# Altium PCB BC95_BLUE.PcbDoc (continued)
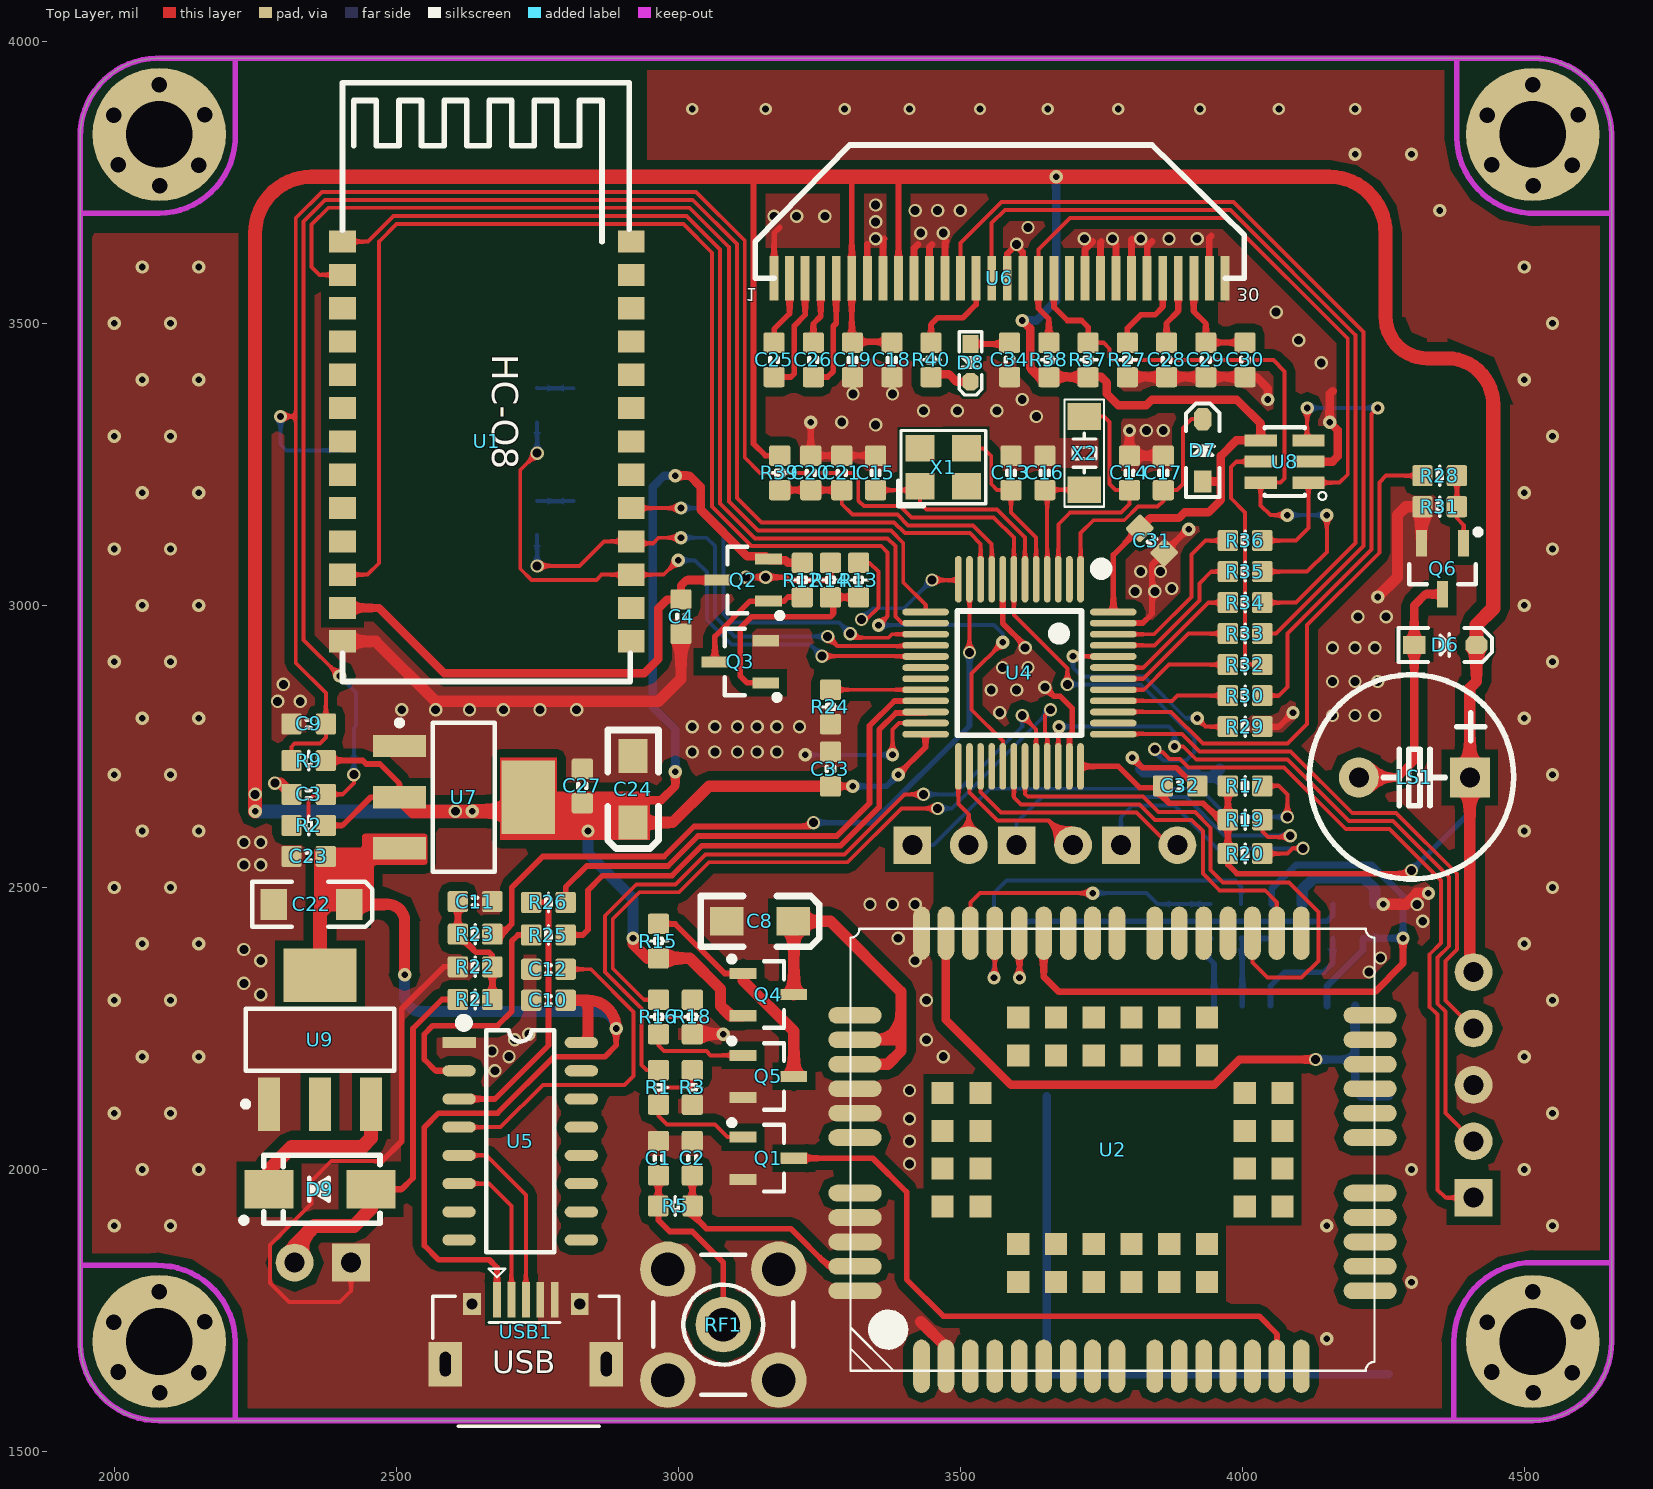
[diagram p0: Top Layer view]
## Nets (pads, with @x,y where several pads share a name; then routed paths per layer and width w, separated by ;. In a path a pad name is that pad's centre, name@x,y a point inside that pad or via, vN(x,y) a via of type N, cw(c..) or ccw(c..) an arc to the next point about the centre after c; other vN are vias at no path point)
BEEP: R28.1 U4.39 | length 943.8
  Top Layer w7: U4.39 3873.9,2811.1 3930,2755 4080,2755 4115,2790 4115,2965.4 4243,3093.4 4243,3218 4255,3230 R28.1
BLE_CLEAR: U1.18 U4.15 | length 707.5
  Top Layer w7: U1.18 v3(3005,3172.56) ; v1(3305,2950) 3312.31,2942.69 3372.69,2942.69 3378.9,2948.9 U4.15
  Bottom Layer w7: v3(3005,3172.56) 3042.44,3172.56 3080,3135 3080,2984.8 3094.8,2970 3285,2970 v1(3305,2950)
BLE_CON_LED: R4.1 U1.17 U4.16 | length 920.2
  Top Layer w7: v1(2750,3070) 2825,3070 2868.5,3113.5 U1.17 2920.31,3110 2955,3110 2965,3120 v3(3005,3120) ; v1(3265,2945) 3282.31,2927.69 3437.06,2927.69 U4.16
  Bottom Layer w7: v1(2750,3070) R4.1 ; v3(3005,3120) 3050,3120 3065,3105 3065,2980 3100,2945 v1(3265,2945)
BLE_Pilot_LED: R6.1 U1.16 U4.17 | length 1133.6
  Top Layer w7: v1(2750,3270) 2720,3240 2720,3065 2740,3045 2855,3045 2864.45,3054.45 U1.16 2974.45,3054.45 v3(3000,3080) ; v1(3255,2910) 3438.11,2910 U4.17
  Bottom Layer w7: v1(2750,3270) R6.1 ; v3(3000,3080) 3030,3080 3051,3059 3051,2974.2 3094.2,2931 3234,2931 v1(3255,2910)
BLE_Pilot_LED_CON: U1.14
Blue_Power_Control: R13.1 U4.12 | length 345.1
  Top Layer w7: R13.1 3339.49,3075.51 3355,3060 3355,2996.55 3333.45,2975 v1(3325,2975) ; v1(3450,3045) 3495.32,3045 U4.12
  Bottom Layer w7: v1(3325,2975) 3345,2995 3400,2995 v1(3450,3045)
Blue_RST: U1.11 U4.29 | length 2705.6
  Top Layer w7: U1.11 2449.45,3054.45 2470,3075 2470,3645 2501,3676 3009.2,3676 3060,3625.2 3060,3175 3130,3105 3360,3105 3371,3094 3371,2981 v3(3355,2965) ; U4.29 3575.47,2759.53 3520,2815 3520,2879.06 v3(3575.47,2934.53)
  Bottom Layer w7: v3(3355,2965) 3560,2965 3575.47,2949.53 v3(3575.47,2934.53)
Blue_RXD_PA2: U1.2 U4.13 | length 1846.3
  Top Layer w7: U1.2 2364.06,3585.94 2350,3600 2350,3675 2380,3705 3020,3705 3090,3635 3090,3184.6 3141.6,3133 3377,3133 3399,3111 3399,3041 3438.58,3001.42 U4.13
Blue_TXD_PA3: U1.1 U4.14 | length 1688
  Top Layer w7: U1.1 2450,3645 2495,3690 3015,3690 3074,3631 3074,3180.8 3135.8,3119 3371,3119 3385,3105 3385,2980 3396.42,2968.58 U4.14
CLK: R36.2 R38.2 U6.18 U8.1 | length 1321.3
  Top Layer w7: U6.18 3638.5,3631.18 3694.33,3687 3973.2,3687 4187,3473.2 4187,3232 4172.6,3217.6 U8.1 4117.32,3137.32 4095,3115 R36.2
  Top Layer w10: U6.18 3638.5,3526.5 3657.08,3507.92 R38.2
CS1: R33.2 U6.13 | length 1525.6
  Top Layer w7: U6.13 3500.71,3642.37 3573.34,3715 3984.8,3715 4215,3484.8 4215,3105 4060,2950 R33.2
CS2: R30.2 U8.3 | length 795.5
  Top Layer w7: R30.2 4065,2840 4080,2855 4080,2950.2 4229,3099.2 4229,3339 v3(4240,3350) ; v3(4115,3350) 4115,3294.72 U8.3
  Bottom Layer w7: v3(4115,3350) v3(4240,3350)
D/C: R34.2 U6.15 | length 1422
  Top Layer w7: U6.15 3555.83,3677.69 3579.14,3701 3979,3701 4201,3479 4201,3110.8 4095.2,3005 R34.2
FSO: R32.2 U8.5 | length 441.8
  Top Layer w7: U8.5 3990,3255 3980,3245 3980,3190 4005,3165 4005,2905 4015,2895 R32.2
GND: C1.2 C2.2 C3.2 C4.1 C5.1 C6.1 C7.1 C8.2 C9.1 C10.2 C11.1 C12.2 C13.1 C14.2 C15.1 C16.2 C17.2 C18.1 C19.1 C20.1 C21.1 C22.2 C23.1 C24.2 C27.1 C28.1 C29.1 C30.1 C31.1 C32.1 C33.1 C34.1 D1.2 D2.2 JP2.3 JP4.1 Q1.2 Q3.2 Q5.2 Q6.2 R3.2 R14.2 R18.2 R22.2 R24.2 R27.2 R29.1 R31.2 RF1.2 RF1.3 S1.2 S2.2 U1.13 U2.2 U2.43 U2.47 U2.48 U2.51 U2.52 U2.54 U4.8 U4.23 U4.35 U4.47 U5.1 U6.1 U6.7 U6.8 U6.10 U6.11 U6.12 U6.16 U6.17 U6.21 U6.22 U6.23 U6.24 U6.25 U6.29 U6.30 U7.1 U8.2 U9.1 USB1.4 USB1.5 | length 5557.2
  Top Layer w7: JP4.1 2420,1785 2400,1765 2310,1765 2276.04,1798.96 2276.04,1866.04 2350,1940 2350,1980 2385,2015 2475,2015 ; v3(3380,2735) 3380,2780 3391.42,2791.42 U4.23
  Top Layer w10: 2475,2015 2510,2050 2510,2285 2584.29,2359.29 R22.2 ; v1(3120,3050) 3190,3050 3195.4,3044.6 3264.6,3044.6 3270,3050 R14.2 ; U6.1 3170,3660 3180,3670 ; v3(3235,3325) C20.1 C21.1 C15.1 ; U4.8 3575.47,2968.2 3615,2928.67 v1(3615,2925) ; v1(3650,2855) 3666.19,2838.81 3677.52,2838.81 3698.81,2817.52 3698.81,2775.14 3693.58,2769.91 U4.35 ; U4.47 3823.58,2968.58 3840,2985 3840,3071.85 C31.1 3903.15,3135 v3(3905,3135) ; v3(3805,2730) 3822.81,2712.19 3883.32,2712.19 C32.1@3920.51,2675 ; R29.1 4065,2785 v3(4090,2810)
  Top Layer w12: 3335,3640 3335.35,3639.65 U6.7 ; U6.8 3362.91,3647.91 3365,3650 ; U6.10 3418.03,3633.03 3425,3640 ; U6.11 3445.59,3635.59 3450,3640 ; U6.12 3473.15,3643.15 3475,3645 ; U6.16 3583.39,3623.39 v1(3600,3640) 3600,3636.86 3610.94,3625.91 U6.17 ; U6.21 3721.18,3631.18 3735,3645 ; U6.22 3748.74,3643.74 3750,3645 ; v1(3770,3650) 3770,3646.86 3776.3,3640.56 U6.23 ; U6.24 3803.86,3648.86 3805,3650 ; U6.25 3831.42,3636.42 3840,3645 ; U6.29 3941.65,3651.65 3945,3655
  Top Layer w15: R27.2 C28.1 C29.1 C30.1 4025.13,3404.87 4045,3385 v3(4045,3365) ; v3(3800,3310) C14.2 C17.2 ; U8.2 4160,3255 4169,3264 4169,3311 v3(4155,3325) 4155,3375 4160,3380
  Top Layer w20: v1(2285,2685) 2294.49,2685 C3.2 ; U1.13 2463.66,2936.34 2570,2830 2965,2830 3005,2870 C4.1 ; R18.2 v3(3080,2240) ; 3430,1730 3474.72,1685.28 U2.2 ; v3(4240,3015) 4275,3050 4275,3160 4290,3175 R31.2 4317.6,3173.11 Q6.2 ; v3(4250,2470) 4290,2470 4309.5,2489.5 4309.5,2490 v3(4330,2490)
  Bottom Layer w7: v3(3225,2735) v3(3380,2735)
  Bottom Layer w20: 3820,2710 3825.5,2704.5 3915.21,2704.5 3924.08,2695.63 3945.63,2695.63 ; 3960,2690 3954.37,2695.63 3945.63,2695.63 ; 3960,2710 3945.63,2695.63 ; C6.1 4106.11,2496.11 4127,2517 4215,2517 4235,2497 4235,2470.51
  other v1: 3410,2010 3410,2050 3410,2090 3410,2140 2675,2175 2700,2200 3470,2200 2670,2210 2710,2230 3440,2230 2735,2240 3440,2300 2260,2310 2230,2330 4225,2350 2260,2370 3420,2370 4245,2375 2230,2390 3390,2410 4320,2440 3340,2470 3380,2470 3420,2470 4310,2470 2230,2540 2260,2540 2230,2580 2260,2580 3025,2740 3065,2740 3105,2740 3140,2740 3175,2740 3025,2785 3065,2785 3105,2785 3140,2785 3175,2785 3215,2785 4160,2805 4200,2805 4235,2805 3570,2810 2510,2815 2570,2815 2630,2815 2690,2815 2755,2815 2820,2815 2290,2830 2330,2830 3555,2850 3600,2850 2300,2860 4160,2865 4200,2865 4240,2865 3575,2890 3620,2890 4160,2925 4200,2925 4235,2925 4205,2980 4255,2980 3810,3025 3845,3025 3875,3030 3155,3050 3820,3060 3855,3060 3830,3310 3860,3310 3350,3320 3290,3325 3635,3335 3435,3345 3495,3345 3565,3345 3610,3365 3310,3375 3380,3375 4140,3430 4100,3470 4060,3520 3350,3650 3720,3650 3820,3650 3870,3650 3920,3650 3430,3660 3470,3660 3620,3670 3350,3680 3170,3690 3210,3690 3260,3690 3420,3700 3460,3700 3500,3700 3350,3710
  other v2: 4150,1700 4300,1800 2000,1900 2100,1900 4150,1900 4550,1900 2050,2000 2150,2000 4300,2000 4500,2000 2000,2100 2100,2100 4550,2100 2050,2200 2150,2200 4500,2200 2000,2300 2100,2300 4550,2300 2050,2400 2150,2400 4500,2400 2000,2500 2100,2500 4550,2500 2050,2600 2150,2600 4500,2600 2000,2700 2100,2700 4550,2700 2050,2800 2150,2800 4500,2800 2000,2900 2100,2900 4550,2900 2050,3000 2150,3000 4500,3000 2000,3100 2100,3100 4550,3100 2050,3200 2150,3200 4500,3200 2000,3300 2100,3300 4550,3300 2050,3400 2150,3400 4500,3400 2000,3500 2100,3500 4550,3500 2050,3600 2150,3600 4500,3600 4350,3700 4200,3800 4300,3800
  other v5: 3025,3880 3155,3880 3295,3880 3410,3880 3535,3880 3655,3880 3780,3880 3925,3880 4065,3880 4200,3880
LED1: D3.2 U4.25 | length 147.1
  Top Layer w7: U4.25 3496.73,2648.27 3515,2630 D3.2
LED2: D4.2 U4.26 | length 268.3
  Top Layer w7: U4.26 3516.42,2668.58 3566.04,2618.96 3656.04,2618.96 D4.2
LED3: D5.2 U4.27 | length 433.5
  Top Layer w7: U4.27 3536.1,2668.9 3572.04,2632.96 3812.39,2632.96 3870.35,2575 D5.2
MCU_3.3V: C18.2 C19.2 C24.1 C27.2 C31.2 C32.2 C33.2 D6.2 D7.1 JP2.5 LS1.1 Q2.2 Q4.2 R2.2 R9.2 R12.2 R15.2 R17.1 R19.1 R20.1 R37.1 R38.1 R39.1 U4.24 U4.36 U4.48 U6.6 U6.9 U7.2 U7.4 U8.4 | length 11399.5
  Top Layer w10: R2.2 2405,2610 2455,2660 U7.2 2505.83,2684.17 2471.13,2718.87 2446.96,2718.87 2440.83,2725 R9.2 ; 3130,3760 3133.5,3756.5 3133.5,3286.5 3154.49,3265.51 R39.1 ; C33.2 v3(3309.49,2679.49) ; 3310,3760 3307.8,3757.8 U6.6 3307.8,3467.26 3377.38,3467.26 C18.2 ; v3(3390,2700) 3438.58,2748.58 U4.24 ; U6.9 3390.47,3755.47 3395,3760 ; U4.36 3780.42,2714.58 3818.54,2676.46 3858.02,2676.46 3858.02,2661.98 3870.7,2649.3 3930.7,2649.3 3960,2620 R19.1 ; U4.48 3771.42,3089.57 C31.2 ; R17.1 R19.1 ; v1(4300,2530) 4294.5,2524.5 3990.5,2524.5 3974.49,2540.51 R20.1 R19.1
  Top Layer w15: C24.1 2920,2655 2970,2655 2995,2680 v3(2995,2705) ; v3(2995,3230) 3020,3230 3040,3210 3040,3169.54 3122.54,3087 3155.4,3087 Q2.2 3162.4,3080 3190,3080 3194.49,3075.51 R12.2 ; v3(3610,3505) 3623.88,3491.12 3623.88,3421.12 3640.13,3404.87 R38.1 3657.22,3405 3750,3405 3760,3395 3760,3375 3780,3355 3830,3355 3840,3365 3990,3365 4032.68,3322.32 U8.4 3989.4,3292.4 3962,3265 3962,3220 ; C31.2 3836.85,3155 3887.79,3155 3897.79,3165 3940,3165 3962,3187 3962,3220 ; D7.1 3961.88,3219.88 3962,3220
  Top Layer w20: U7.4 ccw(c2744.68,2660) 2744.68,2649.49 C27.2 2840.51,2649.49 cw(c2840.51,2625) 2865,2625 ccw(c2874.94,2625) 2874.94,2615.06 C24.1 2990.06,2615.06 3054.49,2679.49 C33.2 ; v3(2920,2410) 2920,2400 2945.51,2374.49 R15.2 3020.51,2374.49 3075,2320 3075,2290 3092.4,2272.6 Q4.2 ; JP2.5 4403.43,2356.57 LS1.1 4403.43,2853.31 4415.12,2865 D6.2
  Top Layer w25: v3(2250,2635) 2250,3660 cw(c2350,3660) 2350,3760 3130,3760 3310,3760 3395,3760 v3(3670,3760) 4154,3760 cw(c4154,3660) 4254,3660 4254,3512 ccw(c4328,3512) 4328,3438 4363,3438 cw(c4363,3356) 4445,3356 4445,2995 4415.12,2965.12 D6.2 ; U7.2 2530.83,2635 v1(2605,2635) v3(2635,2635) 2709.17,2635 U7.4
  Bottom Layer w10: v3(3309.49,2679.49) 3369.49,2679.49 v3(3390,2700) ; v1(4300,2530) 4403.43,2633.43 LS1.1
  Bottom Layer w15: v3(2995,2705) 2995,2780 2955,2820 2955,3210 2975,3230 v3(2995,3230) ; v3(3610,3505) 3635,3505 3670,3540 v3(3670,3760)
  Bottom Layer w20: v3(2840,2600) 2840,2560 2920,2480 v3(2920,2410)
  Bottom Layer w25: v1(2250,2665) v3(2250,2635) v1(2605,2635) v3(2635,2635)
MCU_RST: C9.2 JP2.1 R9.1 S2.1 U4.7 | length 4933.9
  Top Layer w7: v3(2295,3335) 2322,3335 ; R9.1 2314.49,2749.49 2320,2755 2365,2755 2375.51,2765.51 C9.2 2375.51,2844.69 2322,2898.2 2322,3335 ; v1(3690,2860) 3690,2888.45 3595.16,2983.29 U4.7 3595.16,3120.04 3559.2,3156 3413.4,3156 3393.52,3175.88 3329.07,3175.88 3320.8,3184.15 3320.8,3184.2 3319.2,3185.8 3319.2,3224.83 3309.03,3235 3145,3235 3118,3262 3118,3646.6 3031.6,3733 2368.4,3733 2322,3686.6 2322,3335 ; v1(3845,2745) 3845,2740 3858.45,2740 3870.76,2727.69 3889.74,2727.69 3904.43,2713 4074.2,2713 4183.4,2603.8 4261.2,2603.8 4352.31,2512.69 4352.31,2401.6 4332.31,2381.6 4332.31,2288.09 4346,2274.4 4346,1964 4360,1950 JP2.1
  Bottom Layer w7: v3(2295,3335) 2295,3285 2305.24,3274.76 S2.1 ; v1(3690,2860) 3820,2860 3915,2765 3915,2740 3900,2725 3860,2725 3845,2740 v1(3845,2745)
MOSI: R35.2 R37.2 U6.19 U8.6 | length 1126.2
  Top Layer w7: R37.2 3754.11,3465.89 3765,3455 3765,3440 3770,3435 4055,3435 4075,3415 4075,3225 4067.6,3217.6 U8.6 4032.68,3177.32 4050,3160 v3(4080,3160) ; R35.2 4115,3060 4150,3095 v3(4150,3160)
  Top Layer w10: U6.19 3666.06,3528.94 3690,3505 3715,3505 3726.67,3493.33 R37.2
  Bottom Layer w7: v3(4080,3160) v3(4150,3160)
NB_Power_Control: R16.1 U4.33 | length 1229.9
  Top Layer w7: R16.1 2938.98,2301.02 2884,2356 2884,2444 2931.5,2491.5 3001.3,2491.5 3054.49,2544.69 3300.45,2544.69 3395.76,2640 v1(3460,2640) ; U4.33@3652.69,2716.11 U4.33 3654.21,2770.79 3650,2775 3650,2805 v1(3660,2815)
  Bottom Layer w7: v1(3460,2640) 3485,2640 v1(3660,2815)
NB_RESET: Q1.3 U2.15 | length 1133.6
  Top Layer w10: Q1.3 3345,2020 3405,1960 3405,1805 3470,1740 4030,1740 4061.34,1708.66 U2.15
NB_RESET_Control: R1.1 U4.32 | length 1324.9
  Top Layer w7: R1.1 2943.98,2176.02 2935,2185 2935,2285.2 2870,2350.2 2870,2449.8 2925.7,2505.5 2995.5,2505.5 3048.69,2558.69 3294.65,2558.69 3400.96,2665 v1(3435,2665) ; v1(3610,2805) 3634.53,2780.47 U4.32
  Bottom Layer w7: v1(3435,2665) 3490,2665 3610,2785 v1(3610,2805)
NB_RXD_PA9: U2.29 U4.30 | length 696.8
  Top Layer w7: U4.30 3595.16,2659.84 3608.04,2646.96 3818.19,2646.96 3845.35,2619.8 3910.2,2619.8 3930,2600 3930,2525 3960,2495 4040,2495 4061.34,2473.66 U2.29
NB_TXD_PA10: U2.30 U4.31 | length 978.7
  Top Layer w7: U4.31 3614.84,2665.85 3619.73,2660.96 3824.04,2660.96 3830.88,2654.12 3830.88,2654.07 3839.15,2645.8 3839.2,2645.8 3851.2,2633.8 3916,2633.8 3944,2605.8 3944,2530.8 3965.8,2509 4082.71,2509 4135,2456.71 4135,2370 4105,2340 4045,2340 4018.03,2366.97 U2.30
NetC1_1: C1.1 R5.2 RF1.1 | length 335.6
  Top Layer w10: C1.1 2965,1910 2985,1890 3025,1890 3080,1835 RF1.1
NetC11_2: C11.2 R21.2 R22.1 R23.2 | length 212.5
  Top Layer w10: C11.2 R23.2 2641.63,2385 2665,2385 2670,2380 2670,2359.8 R22.1 R21.2
NetC12_1: C12.1 U5.4 | length 612.2
  Top Layer w7: U5.4 2685,2075 2760,2150 2905,2150 2921,2166 2921,2279.4 2845.4,2355 C12.1
NetC13_2: C13.2 U4.5 X1.3 | length 315.1
  Top Layer w7: X1.3 3541.54,3278.46 3555,3265 3555,3215 3565.51,3204.49 C13.2 3590,3165 3634.53,3120.47 U4.5
NetC14_1: C14.1 U4.3 X2.2 | length 461.5
  Top Layer w7: U4.3 3673.9,3143.9 3695,3165 3785,3165 3800,3180 C14.1 3775.51,3204.49 3765,3215 3765,3325 3755.04,3334.96 X2.2
NetC15_2: C15.2 U4.6 X1.1 | length 397
  Top Layer w7: C15.2 3421.61,3204.49 X1.1 3428.66,3181.34 3440,3170 3565,3170 3614.84,3120.16 U4.6
NetC16_1: C16.1 U4.4 X2.1 | length 230
  Top Layer w7: U4.4 3654.21,3200.28 C16.1 3650.55,3205.04 X2.1
NetC17_1: C17.1 D7.2 U4.1 | length 452.2
  Top Layer w7: U4.1 3713.27,3128.27 3736,3151 3790.8,3151 3814.8,3175 3850,3175 3860,3185 C17.1 3884.49,3204.49 3895,3215 3895,3315 3910.12,3330.12 D7.2
NetC20_2: C20.2 C21.2 R39.2 U4.9 | length 492.3
  Top Layer w7: C21.2 3290,3180 3309,3161 3388.6,3161 3407.6,3142 3522.8,3142 3555.79,3109.01 U4.9
  Top Layer w10: R39.2 C20.2 C21.2
NetC25_1: C25.1 U6.2 | length 125.5
  Top Layer w10: C25.1 3170,3490 3197.56,3517.56 U6.2
NetC25_2: C25.2 U6.3 | length 215.5
  Top Layer w10: C25.2 3199.87,3404.87 3205.88,3410.88 3205.88,3495.88 3225.12,3515.12 U6.3
NetC26_1: C26.1 U6.4 | length 119.5
  Top Layer w10: C26.1 3239.58,3499.58 3252.68,3512.68 U6.4
NetC26_2: C26.2 U6.5 | length 206.8
  Top Layer w10: C26.2 3264.87,3404.87 3275,3415 3275,3495 3280.24,3500.24 U6.5
NetC28_2: C28.2 U6.27 | length 122.7
  Top Layer w10: C28.2 3865.83,3500.83 3886.54,3521.54 U6.27
NetC29_2: C29.2 C30.2 U6.28 | length 192.5
  Top Layer w10: U6.28 3914.09,3520.91 3935.42,3499.58 C29.2 C30.2
NetC34_2: C34.2 D8.1 | length 70.3
  Top Layer w10: D8.1 3585.07,3463.46 C34.2
NetD1_1: D1.1 R4.2 | length 65
  Bottom Layer w7: R4.2 2750.52,3185 D1.1
NetD2_1: D2.1 R6.2 | length 65
  Bottom Layer w7: R6.2 2750.52,3385 D2.1
NetD3_1: D3.1 R17.2 | length 817.8
  Top Layer w7: R17.2 4065,2680 4080,2665 v1(4080,2625)
  Bottom Layer w7: D3.1 3452.82,2575 3552.82,2675 3925,2675 3975,2625 v1(4080,2625)
NetD4_1: D4.1 R19.2 | length 648.2
  Top Layer w7: R19.2 4035.51,2599.49 4045.8,2589.2 4084.2,2589.2 4085,2590 v1(4085,2591.72)
  Bottom Layer w7: D4.1 3600,2615 3645,2660 3900,2660 3968.28,2591.72 v1(4085,2591.72)
NetD5_1: D5.1 R20.2 | length 488.1
  Top Layer w7: R20.2 4080,2560 4089.41,2569.41 v1(4107.56,2569.41)
  Bottom Layer w7: D5.1 3785,2625 3805,2645 3880,2645 3955.59,2569.41 v1(4107.56,2569.41)
NetD6_1: D6.1 LS1.2 Q6.3 | length 444.1
  Top Layer w15: LS1.2 4275,2695 4304.88,2724.88 D6.1 4304.88,2999.88 4325,3020 Q6.3
NetD8_2: D8.2 R40.2 | length 77.6
  Top Layer w15: R40.2 3453.47,3410 3480,3410 3493.46,3396.54 D8.2
NetD9_2: D9.2 U9.3 | length 299.1
  Top Layer w25: D9.2 2274.45,1999.45 2315,2040 2440,2040 2455.55,2055.55 U9.3
NetQ1_1: Q1.1 R1.2 R3.1 | length 297.8
  Top Layer w7: R3.1 3025,2150 3020,2145 2975,2145 2965,2135 R1.2 2965,2095 2980,2080 3065,2080 3087.6,2057.4 Q1.1
NetQ2_1: Q2.1 Q3.3 R12.1 | length 228.5
  Top Layer w10: Q3.3 3065,2945 3127.6,3007.6 Q2.1 3187.6,3007.6 3195,3015 R12.1@3219.49,3015
NetQ3_1: Q3.1 R13.2 R14.1 | length 385
  Top Layer w10: Q3.1 3122.4,2862.6 3110,2875 3110,2960 3130,2980 3270,2980 3275,2985 3275,3014.49 R13.2
NetQ4_1: Q4.1 Q5.3 R15.1 | length 406.2
  Top Layer w10: R15.1 2994.49,2435.51 3082.6,2347.4 Q4.1
  Top Layer w20: Q4.1 3115,2335 3205,2245 Q5.3
NetQ5_1: Q5.1 R16.2 R18.1 | length 286.6
  Top Layer w7: R18.1 3025,2280 3015,2270 2975,2270 2965,2260 R16.2 2965,2220 2975,2210 3050,2210 3057.6,2202.4 Q5.1
NetQ6_1: Q6.1 R28.2 R31.1 | length 124.9
  Top Layer w7: R28.2 R31.1 4380.51,3154.49 4392.4,3142.6 Q6.1
NetR7_2: R7.2 U3.3 | length 125.3
  Bottom Layer w10: R7.2 3940,2405.46 3940,2375 3950,2365 U3.3
NetR8_2: R8.2 U3.2 | length 206.1
  Bottom Layer w10: U3.2 4050,2325 4075,2350 4145,2350 4160.14,2365.14 R8.2
NetR10_2: R10.2 R11.2 U3.6 | length 174.3
  Bottom Layer w10: U3.6 4000,2407.54 R10.2 R11.2
NetR24_1: R24.1 U4.20 | length 168.6
  Top Layer w7: R24.1 3305,2850.51 3305.04,2850.47 U4.20
NetR25_2: R25.2 U5.2 | length 450.4
  Top Layer w10: U5.2 2570,2175 2550,2195 2550,2240 2565,2255 2680,2255 2705,2280 2705,2405 2715.71,2415.71 R25.2
NetR26_2: R26.2 U5.3 | length 476.8
  Top Layer w10: U5.3 2675,2125 2770,2220 2770,2465 2761.43,2473.57 R26.2
NetR27_1: R27.1 U6.26 | length 154.7
  Top Layer w10: R27.1 3796.25,3491.25 3820,3515 3845,3515 3858.98,3528.98 U6.26
NetR29_2: R29.2 U4.44 | length 409.6
  Top Layer w7: v3(3700,2910) 3700.47,2909.53 U4.44 ; v3(3920,2800) 3935,2785 R29.2
  Bottom Layer w7: v3(3700,2910) 3700,2890 3716,2874 3825.8,2874 3899.8,2800 v3(3920,2800)
NetR40_1: R40.1 U6.14 | length 173.6
  Top Layer w10: R40.1 3448.33,3498.33 3460,3510 3505,3510 3528.27,3533.27 U6.14
OLED_CLK: R36.1 U4.46 | length 315.8
  Top Layer w7: U4.46 3843.9,2948.9 3910,3015 3910,3090 3935,3115 R36.1
OLED_CS1: R33.1 U4.42 | length 236.1
  Top Layer w7: U4.42 3825.16,2870.16 3905,2950 R33.1
OLED_CS2: R30.1 U4.40 | length 206.9
  Top Layer w7: U4.40 3875.79,2830.79 3885,2840 R30.1
OLED_D/C: R34.1 U4.43 | length 250.8
  Top Layer w7: U4.43 3824.84,2889.84 3940,3005 R34.1
OLED_FSO: R32.1 U4.41 | length 221.5
  Top Layer w7: U4.41 3825.47,2850.47 3870,2895 R32.1
OLED_MOSI: R35.1 U4.45 | length 274.8
  Top Layer w7: U4.45 3844.21,2929.21 3924,3009 3924,3039 3945,3060 R35.1
POWER_+: D9.1 JP4.2 R21.1 | length 675.7
  Top Layer w10: D9.1 2510,1965 2530,1985 2530,2250 2581.43,2301.43 R21.1
  Top Layer w25: JP4.2 2320,1865 2355,1900 2425,1900 2455.55,1930.55 D9.1
POWER_ADC: R23.1 U4.11 | length 1296.9
  Top Layer w7: v1(3516.42,2916.42) U4.11
  Top Layer w10: R23.1 2687.14,2417.14 2705,2435 2705,2500 2760,2555 2975,2555 3028.19,2608.19 3233.19,2608.19 v1(3240,2615)
  Bottom Layer w10: v1(3240,2615) 3345,2615 3516.42,2786.42 v1(3516.42,2916.42)
RF: C2.1 R5.1 U2.53 | length 395.8
  Top Layer w10: C2.1 3025,1920 3050,1895 3200,1895 3266.69,1828.31 U2.53
SWCLK_PA14: JP2.4 U4.37 | length 1015
  Top Layer w7: U4.37 3772,2772.31 3892.89,2772.31 3924.2,2741 4085.8,2741 4195,2631.8 4272.8,2631.8 4380.31,2524.29 4380.31,2390 4360.31,2370 4360.31,2299.69 JP2.4
SWDIO_PA13: JP2.2 U4.34 | length 1390.4
  Top Layer w7: U4.34 3673.9,2783.9 v3(3675,2785) ; v3(3880,2750) 3895.4,2750 3918.4,2727 4080,2727 4189.2,2617.8 4267,2617.8 4366.31,2518.49 4366.31,2395.8 4346.31,2375.8 4346.31,2293.89 4360,2280.2 4360,2100 JP2.2
  Bottom Layer w7: v3(3675,2785) 3870,2785 3880,2775 v3(3880,2750)
UD+: U5.5 USB1.3 | length 333.2
  Top Layer w7: U5.5 2660,2025 2730,1955 USB1.3
UD-: U5.6 USB1.2 | length 275.5
  Top Layer w7: U5.6 2665,1975 2704.41,1935.59 USB1.2
USART3_RXD_PB10: R26.1 U4.21 | length 882.3
  Top Layer w10: R26.1 2800.51,2500.51 2838,2538 2982.04,2538 3035.23,2591.19 3281.19,2591.19 3339.19,2649.19 3339.19,2786.61 3383.37,2830.79 U4.21
USART3_TXD_PB11: R25.1 U4.22 | length 924.4
  Top Layer w10: R25.1 2830.71,2415.71 2840,2425 2840,2495 2866,2521 2989.08,2521 3042.27,2574.19 3288.23,2574.19 3356.19,2642.15 3356.19,2779.56 3385.95,2809.32 3438.58,2809.32 U4.22
USIM_CLK: C7.2 R7.1 U2.41 | length 495.3
  Top Layer w7: U2.41 3518.03,2473.03 3535,2490 v3(3735,2490)
  Bottom Layer w7: v3(3735,2490) 3830,2490 3849.49,2470.51 C7.2 R7.1
USIM_GND: U2.42 U3.4 | length 2259
  Top Layer w15: U2.42 3474.72,2265.28 3590,2150 3950,2150 3995,2195 v1(4130,2195)
  Bottom Layer w15: U3.4@3653.7,2130 3653.7,1636.69 U3.4@4260,1636.69 ; v1(4130,2195) 4200,2195 ; U3.4@4200,2290 4200,2195 ; U3.4@4260,2130 4210,2130 4200,2140 4200,2195
USIM_IO: R10.1 U2.40 | length 712.4
  Top Layer w7: v3(3560,2340) 3561.34,2341.34 U2.40
  Bottom Layer w7: v3(3560,2340) 3560,2490 3582.31,2512.31 3987.69,2512.31 3998.06,2501.94 R10.1
USIM_RST: C6.2 R8.1 U2.39 | length 784.1
  Top Layer w10: U2.39 3605,2418.5 v3(3605,2340)
  Bottom Layer w10: v3(3605,2340) 3605,2425 3620,2440 4115,2440 ; C6.2 4106.11,2431.11 4115,2440 ; R8.1 4160.14,2450.14 4150,2440 4115,2440
USIM_VDD: C5.2 R11.1 U2.38 U3.1 | length 1382.9
  Top Layer w12: U2.38 3647.95,2342.05 3675,2315 4235,2315 4285,2365 v3(4285,2410)
  Bottom Layer w12: R11.1 4052.08,2497.08 4095,2540 4230,2540 4285,2485 v3(4285,2410) 4214.68,2410 C5.2 4214.17,2389.17 4150,2325 U3.1
VCC_5V: C10.1 C22.1 C23.2 U5.16 U7.3 U9.4 USB1.1 | length 1873.6
  Top Layer w10: USB1.1 2678.82,1826.18 2665,1840 2575,1840 2550,1865 2550,2075 2575,2100 2680,2100 2780,2200 2870,2200 2890,2220 v3(2890,2250)
  Top Layer w20: C22.1 2485,2470 cw(c2485,2440) 2515,2440 v3(2515,2345) ; C10.1 2825,2300 ; U5.16 ccw(c2828.35,2236.65) 2840,2236.65 2840,2285 ccw(c2825,2285) 2825,2300 ; v3(2890,2250) ccw(c2840,2250) 2840,2300 2825,2300
  Top Layer w25: U9.4 2365,2455 2380,2470 C22.1
  Bottom Layer w20: v3(2515,2345) 2515,2310 ccw(c2545,2310) 2545,2280 2860,2280 cw(c2860,2250) v3(2890,2250)
VCC_BLUE: C4.2 Q2.3 U1.12 | length 848.2
  Top Layer w15: U1.12 2469.61,2995.39 2585,2880 2940,2880 2965,2905 2965,2995 2980.51,3010.51 C4.2 3005,3035 3015,3045 Q2.3
VCC_NB: C8.1 Q4.3 U2.45 U2.46 | length 708.8
  Top Layer w20: Q4.3 3205,2439 C8.1 3270,2440 3395,2315 3395,2255 ; U2.46 3371.57,2186.57 3395,2210 3395,2225 ; U2.45 3369.88,2229.88 3370,2230 ; U2.45@3350,2230 3370,2230 ; 3370,2230 3395,2255 ; 3370,2230 3390,2230 3395,2225 ; 3395,2225 3395,2255
WakeUp_KEY1_PA0: C3.1 R2.1 S1.1 U4.10 | length 2993
  Top Layer w7: R2.1 2335,2610 2345,2620 2345,2655 2355,2665 C3.1 2405,2665 2425,2685 v1(2425,2700) ; v3(2400,2875) 2336,2939 2336,3680.8 2374.2,3719 3025.8,3719 3104,3640.8 3104,3190.4 3147.4,3147 3382.8,3147 3401.8,3128 3517,3128 3536.1,3108.9 U4.10
  Bottom Layer w7: v3(2400,2875) 2429,2846 S1.1 2425,2782.77 v1(2425,2700)
pads on no net: S1.3 S1.4 S2.3 S2.4 U1.3 U1.4 U1.5 U1.6 U1.7 U1.8 U1.9 U1.10 U1.15 U1.19 U1.20 U1.21 U1.22 U1.23 U1.24 U1.25 U1.26 U2.1 U2.3 U2.4 U2.5 U2.6 U2.7 U2.8 U2.9 U2.10 U2.11 U2.12 U2.13 U2.14 U2.16 U2.17 U2.18 U2.19 U2.20 U2.21 U2.22 U2.23 U2.24 U2.25 U2.26 U2.27 U2.28 U2.31 U2.32 U2.33 U2.34 U2.35 U2.36 U2.37 U2.44 U2.49 U2.50 U2.55 U2.56 U2.57 U2.58 U2.59 U2.60 U2.61 U2.62 U2.63 U2.64 U2.65 U2.66 U2.67 U2.68 U2.69 U2.70 U2.71 U2.72 U2.73 U2.74 U2.75 U2.76 U2.77 U2.78 U2.79 U2.80 U2.81 U2.82 U2.83 U2.84 U2.85 U2.86 U2.87 U2.88 U2.89 U2.90 U2.91 U2.92 U2.93 U2.94 U3.5 U4.2 U4.18 U4.19 U4.28 U4.38 U5.7 U5.8 U5.9 U5.10 U5.11 U5.12 U5.13 U5.14 U5.15 U6.20 U9.2 X1.2 X1.4
copper on no net:
  other v4: 2081,1604 4516,1604 2150,1640 4585,1640 2007,1641 4442,1641 1999,1729 4434,1729 2161,1730 4596,1730 2080,1783 4515,1783 2081,3744 4516,3744 2150,3780 4585,3780 2007,3781 4442,3781 1999,3869 4434,3869 2161,3870 4596,3870 2080,3923 4515,3923

## Polygon pours and split planes (outlines as drawn)
GND on Bottom Layer "GND_L02_P002" (solid, remove dead copper, pour order 2): 1900,4000 4800,4000 4800,1400 1900,1400
GND on Top Layer "GND_L01_P000" (solid, remove dead copper, pour order 0): 1940,4010 4655,4010 4655,1500 1940,1500

## Keep-outs
Keep-Out Layer:
  lines w10: 1940,1830 2075,1830 cw(c2077.5,1692.5) 2215,1695 2215,1555 ; 1940,3695 2080,3695 ccw(c2077.5,3832.5) 2215,3835 2215,3970 ; 2075,3970 ccw(c2077.5,3832.5) 1940,3830 1940,1690 ccw(c2077.5,1692.5) 2080,1555 4515,1555 ccw(c4515,1695) 4655,1695 4655,3835 ccw(c4517.5,3832.5) 4515,3970 2080,3970 ; 4375,1555 4375,1695 cw(c4515,1695) 4515,1835 4655,1835 ; 4380,3970 4380,3830 ccw(c4517.5,3832.5) 4520,3695 4655,3695

## Other copper
Top Layer:
  region net VCC_5V: 2360,2570 2435,2570 ccw(c2435,2575) 2440,2575 2440,2590 cw(c2445,2590) 2445,2595 2550,2595 cw(c2550,2590) 2555,2590 2555,2545 cw(c2550,2545) 2550,2540 2465,2540 ccw(c2465,2535) 2460,2535 2460,2480 cw(c2450,2480) 2450,2470 2380,2470 ccw(c2380,2455) 2365,2455 2355,2455 2355,2565 cw(c2360,2565)
  pour cut-out: 3320,3550 3488.84,3550 3490,3548.84 3490,3485 3320,3485
  pour cut-out: 3815,3565 3815,3505 3702.5,3505 3710,3512.5 3710,3560
  pour cut-out: 3710,3560
  pour cut-out: 3936.97,3634.37 3959.37,3634.37 3957.06,3632.06 3957.06,3499.58 3935.42,3499.58
  pour cut-out: 3935,3620 3970,3620 3970,3535 3966.91,3538.09 3936.97,3538.09
  pour cut-out: 3155,3635 3155.63,3634.37 3836.1,3634.37 3836.1,3536.72 3836.03,3536.65 3822.68,3550 3155,3550
  pour cut-out: 3451.94,2555 3451.94,2523.06 3451.94,2474.12 3749.12,2474.12 3750,2475 3750,2555
  pour cut-out: 3451.94,2474.12
  pour cut-out: 1965,3660 1965,3673.35 2215,3970 2945,3970 2945,3745 2935,3735 2270,3735 2270,3660
  region net MCU_3.3V: 2685,2730 2785,2730 2785,2670 2950,2670 2950,2585 2685,2585

## Silkscreen, mask and mechanical layers (free items; w line width, h text height)
Bottom Overlay:
  circle w10: c2080,3835 r118.11
  circle w10: c4515,3835 r118.11
  circle w10: c2080,1695 r118.11
  circle w10: c4515,1695 r118.11
  circle w10: c3146,2116 r22.02
  region: 3123.98,2116 ccw(c3146,2116) 3146,2093.98 ccw(c3146,2116) 3168.02,2116 ccw(c3146,2116) 3146,2138.02 ccw(c3146,2116)
  region: 3290.45,2406.22 ccw(c3020,2276) 3279.28,2124.75 3246.41,2146.62 cw(c3020,2276) 3255.25,2388.51 3255.2,2388.6
  region: 2964,2142 2937,2142 2897,2118 2937,2092 2964,2092 2924,2118
  region: 3031,2141 3004,2141 2964,2117 3004,2091 3031,2091 2991,2117
  region: 3102,2142 3075,2142 3035,2118 3075,2092 3102,2092 3062,2118
  lines w10: 3255.2,2388.6 3290.45,2406.22 ccw(c3020,2276) 3279.28,2124.75 3246.41,2146.62 cw(c3020,2276) 3255.25,2388.51 ; 2897,2118 2937,2092 2964,2092 2924,2118 2964,2142 2937,2142 2897,2118 ; 2906.42,2830 4245,2830 4245,3735.51 2906.42,3735.51 2906.42,2830 ; 2964,2117 3004,2141 3031,2141 2991,2117 3031,2091 3004,2091 2964,2117 ; 3035,2118 3075,2142 3102,2142 3062,2118 3102,2092 3075,2092 3035,2118
  text "RST" at 2280,3640 h78.74 r180
  text "Pilot" at 2680,3505 h78.74 r180
  text "Connect" at 2615,3025 h78.74 r180
  text "WAKE_UP" at 2205,2675 h78.74 r180
  text "LED1" at 3430,2670 h78.74 r270
  text "LED2" at 3620,2670 h78.74 r270
  text "LED3" at 3800,2670 h78.74 r270
  text "Designer" at 2870,2466 h78.74 r180
  text "Z" at 2800,2386 h314.96 r180
  text "F" at 2930,2386 h314.96 r180
  text "L" at 3060,2386 h314.96 r180
  text "V" at 4500.61,2340 h78.74 r270
  text "C" at 4500.61,2245 h78.74 r270
  text "G" at 4500.61,2135 h78.74 r270
  text "D" at 4500,2045 h78.74 r270
  text "-" at 2410,1940 h78.74 r180
  text "+" at 2350,1935 h78.74 r90
  text "R" at 4500,1930 h78.74 r270
Mechanical 1:
  lines w10: 2075,3970 ccw(c2077.5,3832.5) 1940,3830 1940,1690 ccw(c2077.5,1692.5) 2080,1555 4515,1555 ccw(c4515,1695) 4655,1695 4655,3835 ccw(c4517.5,3832.5) 4515,3970 2080,3970

## Text inside footprints (layer, text, board x,y; h text height)
U1: Top Overlay "HC-O8" at 2655,3445 h78.74 r270
U3: Bottom Overlay "SIM" at 4150,1950 h236.22
U6: Top Overlay "1" at 3120,3570 h39.37 r180; Top Overlay "30" at 3990,3570 h39.37 r180
USB1: Top Overlay "USB" at 2670,1639.17 h40